# Altium PCB PCB1_Bak.PcbDoc (part 3 of 5) (continued)
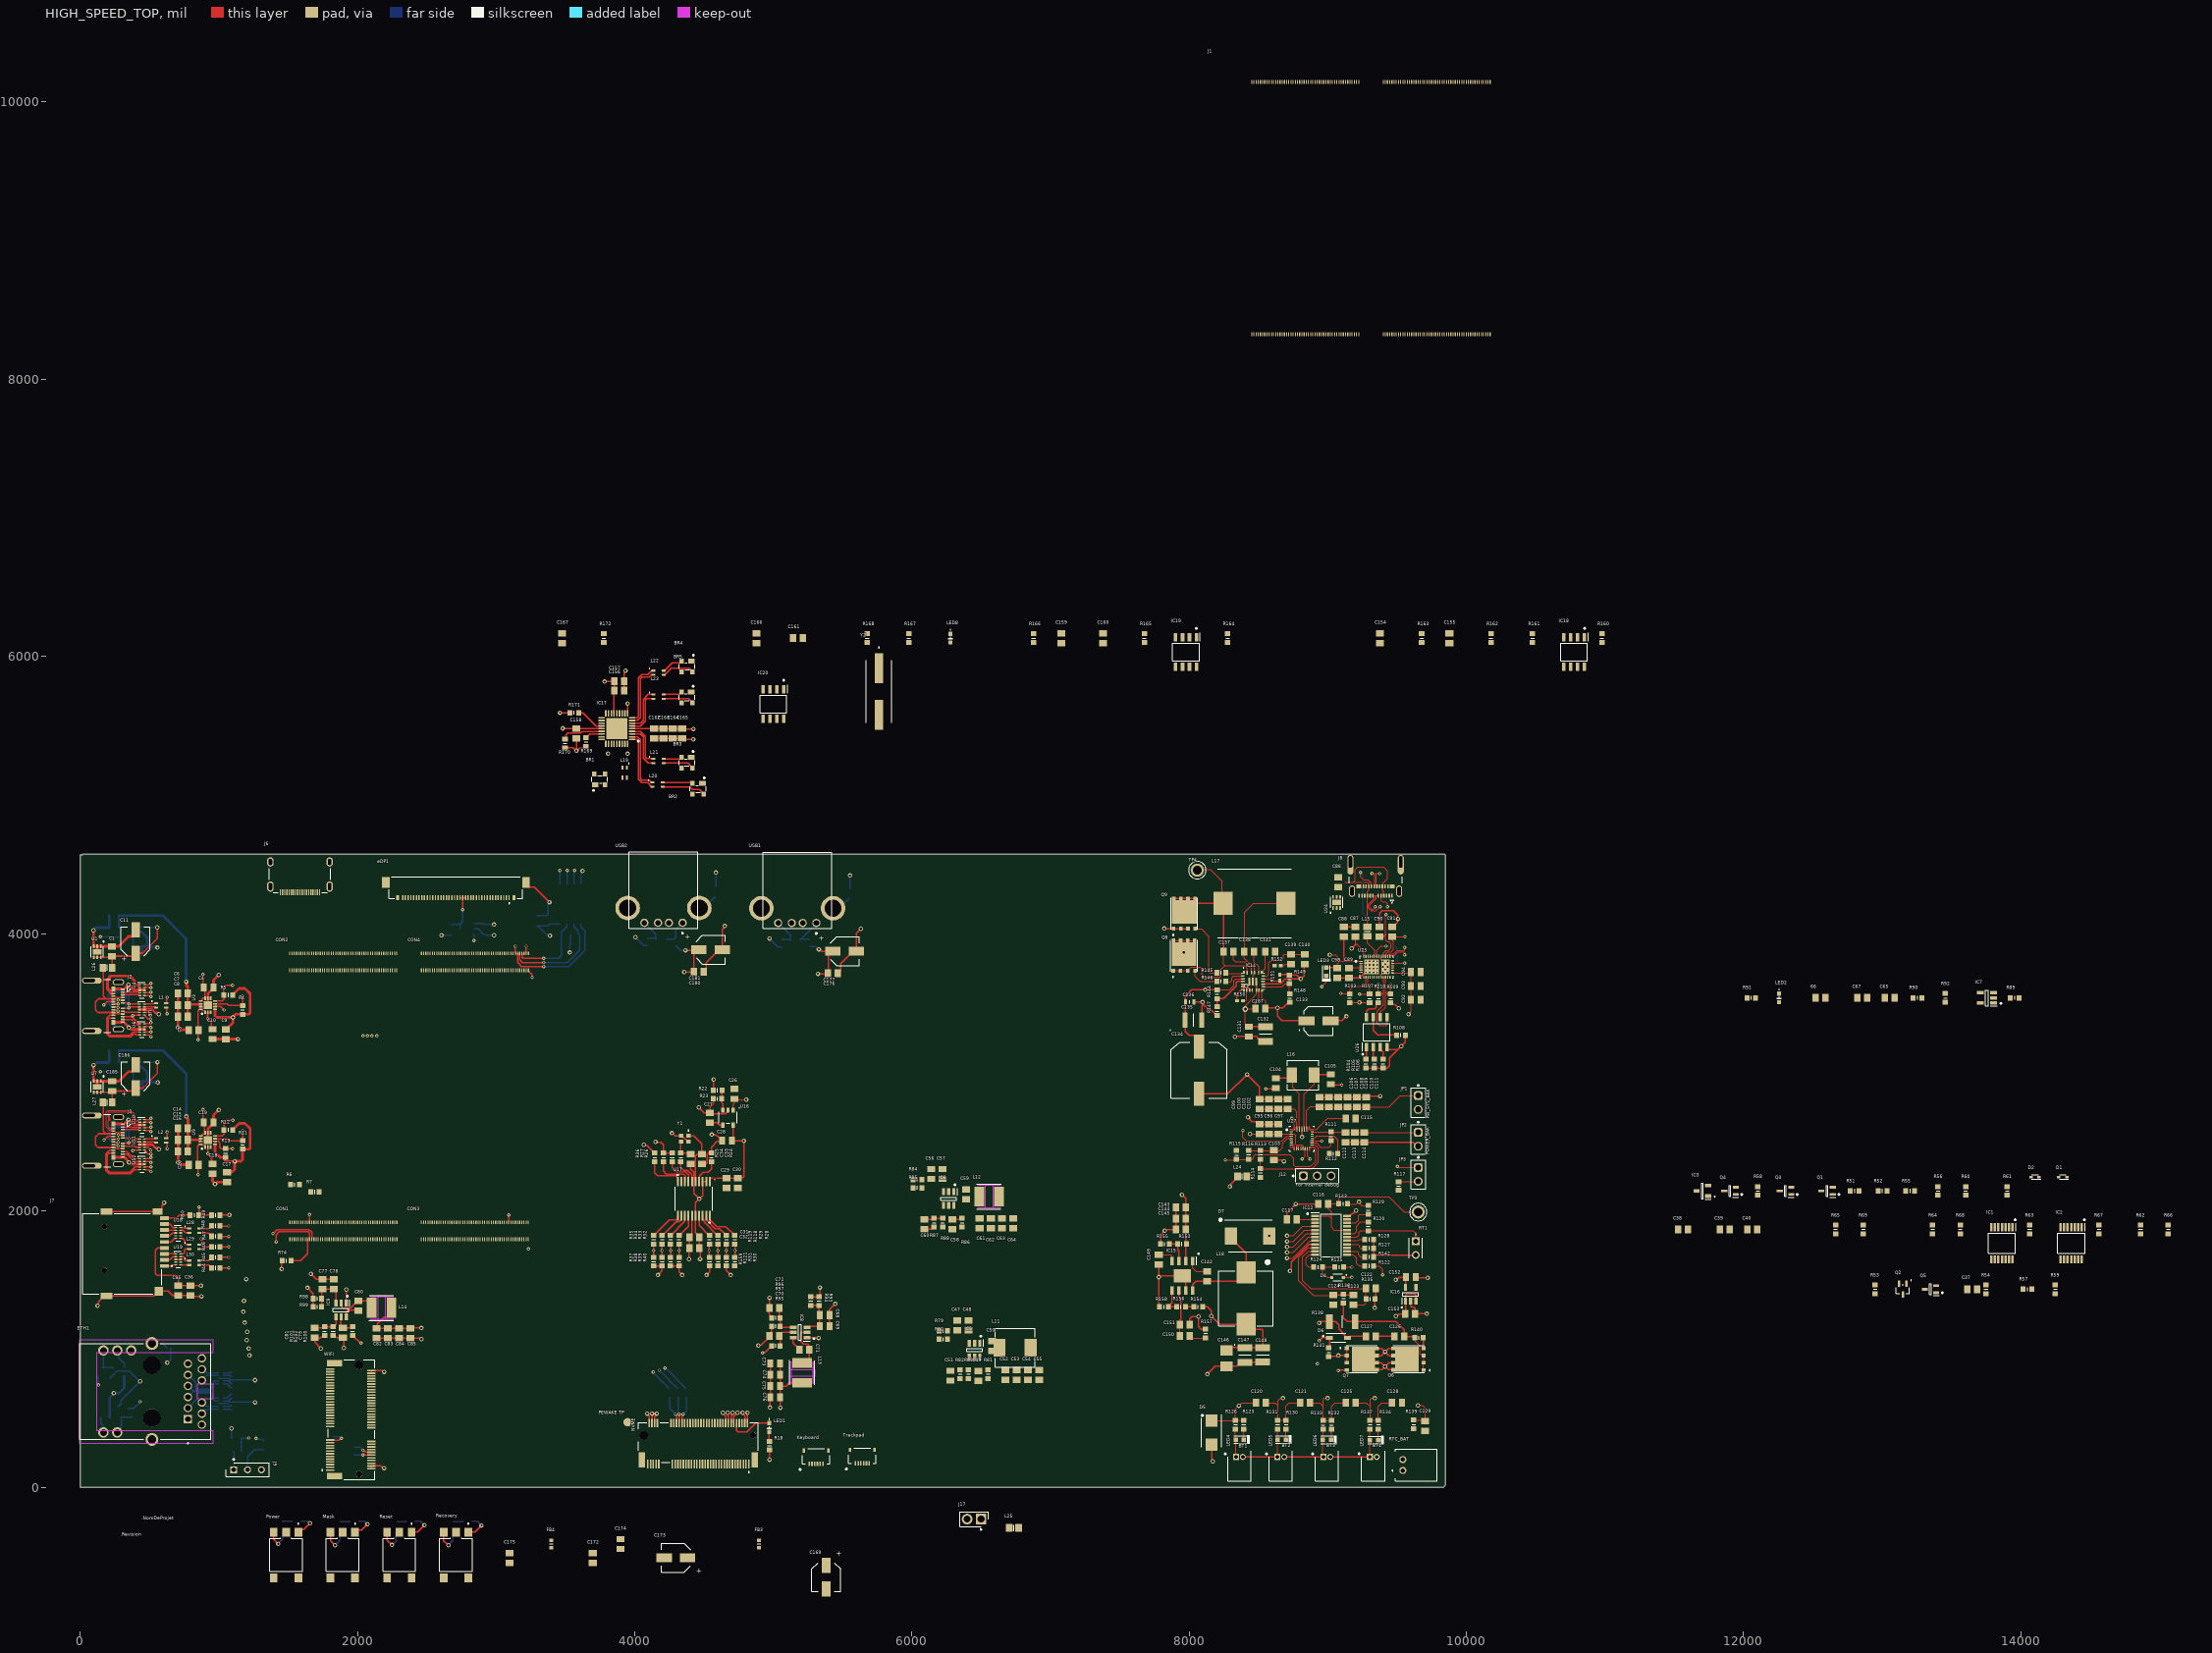
[diagram p0: HIGH_SPEED_TOP view]
## Part data (continued)
R145 R146: library part ERJ-3GEYJ1R0V, "1 Ohm 5% 1/10W  Res Thick Film 0603 -100ppm/", Case Code (Imperial)=0603, Case Code (Metric)=1608, Manufacturer=Panasonic, Max Operating Temperature=155°C, Max Power Dissipation=100mW, Min Operating Temperature=-55°C, Mouser Part Number=667-ERJ-3GEYJ1R0V, Package Quantity=1, Resistance Tolerance=5%, Resistor Type="Thick Film", Supplier Part Number=P1.0GCT-ND, Temperature Coefficient=600ppm/°C, Voltage Rating=75V, Voltage Rating (DC)=50V, Case/Package=0603, Category="Chip SMD Resistors", ComponentLink1Description=https://datasheet.ciiva.com/11821/0900766b80f806dd-11821429.pdf?src-supplier=Rs, ComponentLink1URL=https://datasheet.ciiva.com/11821/0900766b80f806dd-11821429.pdf?src-supplier=Rs, ComponentLink2Description=https://datasheet.ciiva.com/6138/1678796-6138719.pdf?src-supplier=Farnell, ComponentLink2URL=https://datasheet.ciiva.com/6138/1678796-6138719.pdf?src-supplier=Farnell, ComponentLink3Description=https://datasheet.ciiva.com/43460/1678796-43460648.pdf?src-supplier=Farnell, ComponentLink3URL=https://datasheet.ciiva.com/43460/1678796-43460648.pdf?src-supplier=Farnell, ComponentLink4Description=https://datasheet.ciiva.com/9117/aoa0000ce1-9117101.pdf?src-supplier=Avnet, ComponentLink4URL=https://datasheet.ciiva.com/9117/aoa0000ce1-9117101.pdf?src-supplier=Avnet, ComponentLink5Description=https://datasheet.ciiva.com/27055/1988567-27055708.pdf?src-supplier=Jameco, ComponentLink5URL=https://datasheet.ciiva.com/27055/1988567-27055708.pdf?src-supplier=Jameco, ComponentLink6Description=https://datasheet.ciiva.com/30244/4aoa0000ce1-30244602.pdf?src-supplier=Onlinecomponents.com, ComponentLink6URL=https://datasheet.ciiva.com/30244/4aoa0000ce1-30244602.pdf?src-supplier=Onlinecomponents.com, ComponentLink7Description=https://datasheet.ciiva.com/28547/1678796-28547208.pdf?src-supplier=Element14, ComponentLink7URL=https://datasheet.ciiva.com/28547/1678796-28547208.pdf?src-supplier=Element14, ComponentLink8Description=https://datasheet.ciiva.com/28691/1678796-28691949.pdf?src-supplier=Element14, ComponentLink8URL=https://datasheet.ciiva.com/28691/1678796-28691949.pdf?src-supplier=Element14, ComponentLink9Description=https://datasheet.ciiva.com/16761/70255313-16761183.pdf?src-supplier=Allied+Electronics, ComponentLink9URL=https://datasheet.ciiva.com/16761/70255313-16761183.pdf?src-supplier=Allied+Electronics, ComponentLink10Description=https://datasheet.ciiva.com/16784/70255313-16784679.pdf?src-supplier=Allied+Electronics, ComponentLink10URL=https://datasheet.ciiva.com/16784/70255313-16784679.pdf?src-supplier=Allied+Electronics, Construction=Rectangular, Contact Plating=Tin, Datasheet Link=http://docs-europe.electrocomponents.com/webdocs/13ba/0900766b813ba21b.pdf, Depth=0.8mm, Features="Automotive AEC-Q200", Height=0.55mm, Lead Free="Lead Free", Length=1.6mm, Manufacturer Part Number=ERJ-3GEYJ1R0V, Manufacturer_Name=Panasonic, Manufacturer_Part_Number=ERJ-3GEYJ1R0V, Military Standard=Not, Mounting Technology="Surface Mount", Mouser Price/Stock=https://www.mouser.co.uk/ProductDetail/Panasonic/ERJ-3GEYJ1R0V?qs=iBwFsHVUAOehrcsQVhVEKg%3D%3D, Number of Terminations=2, Packaging="Tape and Reel", Power Rating=100mW, Pricing="1=0.1, 10=0.033, 50=0.02, 100=0.0165, 500=0.01096, 1000=0.00939 (USD)", Radiation Hardening=No, Reach SVHC Compliant=No, RoHS=Yes, RoHS Compliant=Yes, Series=ERJ, Stock=374695, Supplier=Digikey, Technology="THICK FILM", Termination=SMD/SMT, Tolerance=5%, Width=0.8mm
R149: library part RT0603BRD0710K4L, "10.4kOhm 0.1% High Precision-High Stability Chip Resistor Thin Film 0603  Paper T/R", Case/Package=0603, Manufacturer=Yageo, Max Operating Temperature=155°C, Max Power Dissipation=100mW, Min Operating Temperature=-55°C, Package=None, Supplier Part Number=13-RT0603BRD0710K4LCT-ND, Temperature Coefficient=25ppm/°C, Tolerance=0.1%, Availability=Unavailable, Category="Chip SMD Resistors", ComponentLink1Description=https://datasheet.octopart.com/RT0603BRD0710K4L-Yageo-datasheet-169971040.pdf?src-supplier=Future+Electronics, ComponentLink1URL=https://datasheet.octopart.com/RT0603BRD0710K4L-Yageo-datasheet-169971040.pdf?src-supplier=Future+Electronics, ComponentLink2Description=http://www.yageo.com/documents/recent/PYu-RT_1-to-0.01_RoHS_L_9.pdf?src-supplier=Digikey, ComponentLink2URL=http://www.yageo.com/documents/recent/PYu-RT_1-to-0.01_RoHS_L_9.pdf?src-supplier=Digikey, Manufacturer Part Number=RT0603BRD0710K4L, MP=RT0603BRD0710K4L, Number of Terminations=2, Packaging="Tape and Reel", Price=None, Pricing="1=0.14, 10=0.108, 50=0.0868, 100=0.0775, 500=0.06018, 1000=0.05202 (USD)", RoHS=Yes, RoHS Compliant=Yes, Series=RT, Stock=17618, Supplier=Digikey
R150: library part CRCW040250K0FKED, "50 kΩ  Tolerance: 1.0%  Power: 63 mW  Package:0402", Manufacturer_Name=Vishay, Mouser Part Number=71-CRCW0402-50K-E3, Datasheet Link=http://www.vishay.com/docs/20035/dcrcwe3.pdf, Height=0.4mm, Manufacturer_Part_Number=CRCW040250K0FKED, Mouser Price/Stock=https://www.mouser.co.uk/ProductDetail/Vishay-Dale/CRCW040250K0FKED?qs=ZTJSYgkXUA0CX%252BZe0ESa5A%3D%3D
R151: library part CRCW040231K6FKED, "31.6 kΩ  Tolerance: 1.0%  Power: 63 mW", Manufacturer_Name=Vishay, Mouser Part Number=71-CRCW0402-31.6K-E3, Datasheet Link=http://www.vishay.com/docs/20035/dcrcwe3.pdf, Height=0.4mm, Manufacturer_Part_Number=CRCW040231K6FKED, Mouser Price/Stock=https://www.mouser.co.uk/ProductDetail/Vishay-Dale/CRCW040231K6FKED?qs=TNtMkGKFKOwWly94NvOrvQ%3D%3D
R152: library part CRCW040254K9FKED, "54.9 kΩ  Tolerance: 1.0%  Power: 63 mW  PAckage:0402", Manufacturer_Name=Vishay, Mouser Part Number=71-CRCW0402-54.9K-E3, Arrow Part Number=CRCW040254K9FKED, Arrow Price/Stock=https://www.arrow.com/en/products/crcw040254k9fked/vishay, Datasheet Link=http://www.vishay.com/docs/20035/dcrcwe3.pdf, Height=0.4mm, Manufacturer_Part_Number=CRCW040254K9FKED, Mouser Price/Stock=https://www.mouser.co.uk/ProductDetail/Vishay-Dale/CRCW040254K9FKED?qs=hAuyw6LW%252BLi3%2FhCT%2FKiiLw%3D%3D
R153: library part ERJ-3EKF6653V, "665 kOhm, ± 1%, 100 mW, 0603 [1608 Metric], Thick Film, Precision", Case Code (Imperial)=0603, Case Code (Metric)=1608, Manufacturer=Panasonic, Max Operating Temperature=155°C, Max Power Dissipation=100mW, Min Operating Temperature=-55°C, Package Quantity=5000, Resistance Tolerance=1%, Resistor Type="Thick Film", Supplier Part Number=P665KHCT-ND, Temperature Coefficient=100ppm/°C, Voltage Rating=75V, Voltage Rating (DC)=50V, Case/Package=0603, Category="Chip SMD Resistors", ComponentLink1Description=https://datasheet.ciiva.com/9180/aoa0000ce2-9180543.pdf?src-supplier=Avnet, ComponentLink1URL=https://datasheet.ciiva.com/9180/aoa0000ce2-9180543.pdf?src-supplier=Avnet, ComponentLink2Description=https://datasheet.ciiva.com/7754/1678782-7754015.pdf?src-supplier=Element14, ComponentLink2URL=https://datasheet.ciiva.com/7754/1678782-7754015.pdf?src-supplier=Element14, ComponentLink3Description=https://datasheet.ciiva.com/22668/1678782-22668429.pdf?src-supplier=Element14, ComponentLink3URL=https://datasheet.ciiva.com/22668/1678782-22668429.pdf?src-supplier=Element14, ComponentLink4Description=https://datasheet.ciiva.com/46420/1678782-46420005.pdf?src-supplier=Element14, ComponentLink4URL=https://datasheet.ciiva.com/46420/1678782-46420005.pdf?src-supplier=Element14, Construction=Rectangular, Contact Plating=Tin, Depth=0.8mm, Features="Automotive AEC-Q200", Height=0.022inch, Length=1.6mm, Manufacturer Part Number=ERJ-3EKF6653V, Mfr_Name=Panasonic, Military Standard=Not, Mounting Technology="Surface Mount", Number of Terminations=2, Packaging="Tape and Reel", Power Rating=100mW, Pricing="1=0.1, 10=0.035, 100=0.0177, 1000=0.01014, 2500=0.00847 (USD)", Reach SVHC Compliant=Yes, RoHS=Yes, RoHS Compliant=Yes, Series=ERJ, Stock=26342, Supplier=Digikey, Termination=SMD/SMT, Tolerance=1%, Width=0.8mm
R154: library part ERJ-3EKF51R1V, "51.1 Ohm 1% 0.1W(1/10W) ±100ppm/C Pad SMD T/R Automotive AEC-Q200", Case Code (Imperial)=0603, Case Code (Metric)=1608, Manufacturer=Panasonic, Max Operating Temperature=155°C, Max Power Dissipation=100mW, Min Operating Temperature=-55°C, Mouser Part Number=667-ERJ-3EKF51R1V, Package Quantity=1, Resistance Tolerance=1%, Resistor Type="Thick Film", Supplier Part Number=P51.1HCT-ND, Temperature Coefficient=100ppm/°C, Voltage Rating=75V, Arrow Part Number=ERJ-3EKF51R1V, Arrow Price/Stock=https://www.arrow.com/en/products/erj-3ekf51r1v/panasonic?region=europe, Case/Package=0603, Category="Chip SMD Resistors", ComponentLink1Description=https://datasheet.ciiva.com/5870/426256-5870807.pdf?src-supplier=Farnell, ComponentLink1URL=https://datasheet.ciiva.com/5870/426256-5870807.pdf?src-supplier=Farnell, ComponentLink2Description=https://datasheet.ciiva.com/9117/aoa0000ce2-9117163.pdf?src-supplier=Avnet, ComponentLink2URL=https://datasheet.ciiva.com/9117/aoa0000ce2-9117163.pdf?src-supplier=Avnet, ComponentLink3Description=https://datasheet.ciiva.com/9188/aoa0000ce2-9188966.pdf?src-supplier=Avnet, ComponentLink3URL=https://datasheet.ciiva.com/9188/aoa0000ce2-9188966.pdf?src-supplier=Avnet, ComponentLink4Description=https://datasheet.ciiva.com/30066/aoa0000ce2-30066071.pdf?src-supplier=Onlinecomponents.com, ComponentLink4URL=https://datasheet.ciiva.com/30066/aoa0000ce2-30066071.pdf?src-supplier=Onlinecomponents.com, ComponentLink5Description=https://datasheet.ciiva.com/16440/aoa0000ce2-16440167.pdf?src-supplier=Future+Electronics, ComponentLink5URL=https://datasheet.ciiva.com/16440/aoa0000ce2-16440167.pdf?src-supplier=Future+Electronics, ComponentLink6Description=https://datasheet.ciiva.com/16782/70260748-16782813.pdf?src-supplier=Allied+Electronics, ComponentLink6URL=https://datasheet.ciiva.com/16782/70260748-16782813.pdf?src-supplier=Allied+Electronics, ComponentLink7Description=https://datasheet.ciiva.com/46377/426256-46377438.pdf?src-supplier=Element14, ComponentLink7URL=https://datasheet.ciiva.com/46377/426256-46377438.pdf?src-supplier=Element14, Construction=Rectangular, Contact Plating=Tin, Datasheet Link=http://industrial.panasonic.com/cdbs/www-data/pdf/RDA0000/AOA0000C86.pdf, Depth=0.8mm, Features="Automotive AEC-Q200", Height=0.55mm, Length=1.6mm, Manufacturer Part Number=ERJ-3EKF51R1V, Manufacturer_Name=Panasonic, Manufacturer_Part_Number=ERJ-3EKF51R1V, Military Standard=Not, Mounting Technology="Surface Mount", Mouser Price/Stock=https://www.mouser.com/Search/Refine.aspx?Keyword=667-ERJ-3EKF51R1V, Number of Terminations=2, Packaging="Tape and Reel", Power Rating=100mW, Pricing="1=0.1, 10=0.035, 100=0.0177, 1000=0.01014, 2500=0.00888 (USD)", Radiation Hardening=No, Reach SVHC Compliant=No, RoHS=Yes, RoHS Compliant=Yes, Series=ERJ, Stock=86452, Supplier=Digikey, Technology="THICK FILM", Termination=SMD/SMT, Tolerance=1%, Width=0.8mm
R155: library part ERJ-3EKF1303V, "130K Ohm 1% 0.1W Res Thick Film 0603 ±100ppm/°C Molded SMD Punched Carrier T/R", Case Code (Imperial)=0603, Case Code (Metric)=1608, Manufacturer=Panasonic, Max Operating Temperature=155°C, Max Power Dissipation=100mW, Min Operating Temperature=-55°C, Package Quantity=1, Resistance Tolerance=1%, Resistor Type="Thick Film", Supplier Part Number=P130KHCT-ND, Temperature Coefficient=100ppm/°C, Voltage Rating=75V, Voltage Rating (DC)=50V, Case/Package=0603, Category="Chip SMD Resistors", ComponentLink1Description=https://datasheet.ciiva.com/5915/426256-5915291.pdf?src-supplier=Farnell, ComponentLink1URL=https://datasheet.ciiva.com/5915/426256-5915291.pdf?src-supplier=Farnell, ComponentLink2Description=https://datasheet.ciiva.com/5915/426256-5915292.pdf?src-supplier=Farnell, ComponentLink2URL=https://datasheet.ciiva.com/5915/426256-5915292.pdf?src-supplier=Farnell, ComponentLink3Description=https://datasheet.ciiva.com/28515/1678782-28515237.pdf?src-supplier=Element14, ComponentLink3URL=https://datasheet.ciiva.com/28515/1678782-28515237.pdf?src-supplier=Element14, ComponentLink4Description=https://datasheet.ciiva.com/28665/1678782-28665400.pdf?src-supplier=Element14, ComponentLink4URL=https://datasheet.ciiva.com/28665/1678782-28665400.pdf?src-supplier=Element14, ComponentLink5Description=https://datasheet.ciiva.com/24070/aoa0000ce2-24070047.pdf?src-supplier=Mouser, ComponentLink5URL=https://datasheet.ciiva.com/24070/aoa0000ce2-24070047.pdf?src-supplier=Mouser, ComponentLink6Description=https://datasheet.ciiva.com/16788/70260748-16788063.pdf?src-supplier=Allied+Electronics, ComponentLink6URL=https://datasheet.ciiva.com/16788/70260748-16788063.pdf?src-supplier=Allied+Electronics, ComponentLink7Description=https://datasheet.ciiva.com/7795/426256-7795210.pdf?src-supplier=Element14, ComponentLink7URL=https://datasheet.ciiva.com/7795/426256-7795210.pdf?src-supplier=Element14, Construction=Rectangular, Contact Plating=Tin, Depth=0.8mm, Features="Automotive AEC-Q200", Height=0.45mm, Lead Free="Lead Free", Length=1.6mm, Manufacturer Part Number=ERJ-3EKF1303V, Mfr_Name=Panasonic, Military Standard=Not, Mounting Technology="Surface Mount", Number of Terminations=2, Packaging="Tape and Reel", Power Rating=100mW, Pricing="1=0.1, 10=0.035, 100=0.0177, 1000=0.01014, 2500=0.00847 (USD)", Reach SVHC Compliant=No, RoHS=Yes, RoHS Compliant=Yes, Series=ERJ, Stock=107191, Supplier=Digikey, Technology="THICK FILM", Termination=SMD/SMT, Tolerance=1%, Width=0.8mm
R156: library part ERJ-3EKF1022V, "10.2 kOhm, ± 1%, 100 mW, 0603 [1608 Metric], Thick Film, Precision", Case Code (Imperial)=0603, Case Code (Metric)=1608, Manufacturer=Panasonic, Max Operating Temperature=155°C, Max Power Dissipation=100mW, Min Operating Temperature=-55°C, Mouser Part Number=667-ERJ-3EKF1022V, Package Quantity=1, Resistance Tolerance=1%, Resistor Type="Thick Film", Supplier Part Number=P10.2KHCT-ND, Temperature Coefficient=100ppm/°C, Voltage Rating=75V, Voltage Rating (DC)=50V, Arrow Part Number=ERJ-3EKF1022V, Arrow Price/Stock=https://www.arrow.com/en/products/erj-3ekf1022v/panasonic, Case/Package=0603, Category="Chip SMD Resistors", ComponentLink1Description=https://datasheet.ciiva.com/34303/1987492-34303567.pdf?src-supplier=Jameco, ComponentLink1URL=https://datasheet.ciiva.com/34303/1987492-34303567.pdf?src-supplier=Jameco, ComponentLink2Description=https://datasheet.ciiva.com/30119/aoa0000ce2-30119176.pdf?src-supplier=Onlinecomponents.com, ComponentLink2URL=https://datasheet.ciiva.com/30119/aoa0000ce2-30119176.pdf?src-supplier=Onlinecomponents.com, ComponentLink3Description=https://datasheet.ciiva.com/43460/426256-43460540.pdf?src-supplier=Farnell, ComponentLink3URL=https://datasheet.ciiva.com/43460/426256-43460540.pdf?src-supplier=Farnell, ComponentLink4Description=https://datasheet.ciiva.com/9194/aoa0000ce2-9194057.pdf?src-supplier=Avnet, ComponentLink4URL=https://datasheet.ciiva.com/9194/aoa0000ce2-9194057.pdf?src-supplier=Avnet, ComponentLink5Description=https://datasheet.ciiva.com/16777/70260748-16777515.pdf?src-supplier=Allied+Electronics, ComponentLink5URL=https://datasheet.ciiva.com/16777/70260748-16777515.pdf?src-supplier=Allied+Electronics, ComponentLink6Description=https://datasheet.ciiva.com/24069/aoa0000ce2-24069678.pdf?src-supplier=Mouser, ComponentLink6URL=https://datasheet.ciiva.com/24069/aoa0000ce2-24069678.pdf?src-supplier=Mouser, ComponentLink7Description=https://datasheet.ciiva.com/28531/1678782-28531526.pdf?src-supplier=Element14, ComponentLink7URL=https://datasheet.ciiva.com/28531/1678782-28531526.pdf?src-supplier=Element14, ComponentLink8Description=https://datasheet.ciiva.com/28658/1678782-28658333.pdf?src-supplier=Element14, ComponentLink8URL=https://datasheet.ciiva.com/28658/1678782-28658333.pdf?src-supplier=Element14, ComponentLink9Description=https://datasheet.ciiva.com/46377/426256-46377339.pdf?src-supplier=Element14, ComponentLink9URL=https://datasheet.ciiva.com/46377/426256-46377339.pdf?src-supplier=Element14, Construction=Rectangular, Contact Plating=Tin, Datasheet Link=http://industrial.panasonic.com/cdbs/www-data/pdf/RDA0000/AOA0000C86.pdf, Depth=0.8mm, Features="Automotive AEC-Q200", Height=0.55mm, Lead Free="Lead Free", Length=1.6mm, Manufacturer Part Number=ERJ-3EKF1022V, Manufacturer_Name=Panasonic, Manufacturer_Part_Number=ERJ-3EKF1022V, Military Standard=Not, Mounting Technology="Surface Mount", Mouser Price/Stock=https://www.mouser.co.uk/ProductDetail/Panasonic/ERJ-3EKF1022V?qs=LRVwtJ3DVID0bgL5Wde26A%3D%3D, Number of Terminations=2, Packaging="Tape and Reel", Power Rating=100mW, Pricing="1=0.1, 10=0.035, 100=0.0177, 1000=0.01014, 2500=0.00847 (USD)", Radiation Hardening=No, Reach SVHC Compliant=No, RoHS=Yes, RoHS Compliant=Yes, Series=ERJ, Stock=89233, Supplier=Digikey, Technology="THICK FILM", Termination=SMD/SMT, Tolerance=1%, Width=0.8mm
R157: library part ERJ-3EKF3742V, "37.4K Ohm 1% 1/10W ±100ppm/°C Molded SMD Punched Carrier T/R", Case Code (Imperial)=0603, Case Code (Metric)=1608, Manufacturer=Panasonic, Max Operating Temperature=155°C, Min Operating Temperature=-55°C, Power Rating=100mW, Resistance Tolerance=1%, Resistor Type="Thick Film", Supplier Part Number=P37.4KHCT-ND, Temperature Coefficient=100ppm/°C, Voltage Rating=75V, Case/Package=0603, Category="Chip SMD Resistors", ComponentLink1Description=https://datasheet.ciiva.com/22668/1678782-22668168.pdf?src-supplier=Element14, ComponentLink1URL=https://datasheet.ciiva.com/22668/1678782-22668168.pdf?src-supplier=Element14, ComponentLink2Description=https://datasheet.ciiva.com/30172/aoa0000ce2-30172522.pdf?src-supplier=Onlinecomponents.com, ComponentLink2URL=https://datasheet.ciiva.com/30172/aoa0000ce2-30172522.pdf?src-supplier=Onlinecomponents.com, ComponentLink3Description=https://datasheet.ciiva.com/46419/1678782-46419947.pdf?src-supplier=Element14, ComponentLink3URL=https://datasheet.ciiva.com/46419/1678782-46419947.pdf?src-supplier=Element14, ComponentLink4Description=https://datasheet.ciiva.com/7870/aoa0000ce2-7870825.pdf?src-supplier=Element14, ComponentLink4URL=https://datasheet.ciiva.com/7870/aoa0000ce2-7870825.pdf?src-supplier=Element14, Lead Free="Contains Lead", Manufacturer Part Number=ERJ-3EKF3742V, Mfr_Name=Panasonic, Mounting Technology="Surface Mount", Packaging="Tape and Reel", Pricing="1=0.1, 10=0.035, 100=0.0177, 1000=0.01014, 2500=0.00847 (USD)", Reach SVHC Compliant=Unknown, RoHS=Yes, RoHS Compliant=Yes, Stock=79144, Supplier=Digikey, Tolerance=1%
R158: library part ERJ-3EKF1961V, "1.96K Ohm 1% 1/10W ±100ppm/°C Molded SMD Punched Carrier T/R", Case Code (Imperial)=0603, Case Code (Metric)=1608, Manufacturer=Panasonic, Max Operating Temperature=155°C, Max Power Dissipation=100mW, Min Operating Temperature=-55°C, Package Quantity=1, Ratings=AEC-Q200, Resistance Tolerance=1%, Resistor Type="Thick Film", Supplier Part Number=P1.96KHCT-ND, Temperature Coefficient=100ppm/°C, Voltage Rating=75V, Voltage Rating (DC)=50V, Case/Package=0603, Category="Chip SMD Resistors", ComponentLink1Description=https://datasheet.ciiva.com/6201/426256-6201465.pdf?src-supplier=Farnell, ComponentLink1URL=https://datasheet.ciiva.com/6201/426256-6201465.pdf?src-supplier=Farnell, ComponentLink2Description=https://datasheet.ciiva.com/9197/aoa0000ce2-9197519.pdf?src-supplier=Avnet, ComponentLink2URL=https://datasheet.ciiva.com/9197/aoa0000ce2-9197519.pdf?src-supplier=Avnet, ComponentLink3Description=https://datasheet.ciiva.com/16775/70260748-16775147.pdf?src-supplier=Allied+Electronics, ComponentLink3URL=https://datasheet.ciiva.com/16775/70260748-16775147.pdf?src-supplier=Allied+Electronics, ComponentLink4Description=https://datasheet.ciiva.com/28610/1678782-28610985.pdf?src-supplier=Element14, ComponentLink4URL=https://datasheet.ciiva.com/28610/1678782-28610985.pdf?src-supplier=Element14, ComponentLink5Description=https://datasheet.ciiva.com/28658/1678782-28658365.pdf?src-supplier=Element14, ComponentLink5URL=https://datasheet.ciiva.com/28658/1678782-28658365.pdf?src-supplier=Element14, ComponentLink6Description=https://datasheet.ciiva.com/46377/426256-46377743.pdf?src-supplier=Element14, ComponentLink6URL=https://datasheet.ciiva.com/46377/426256-46377743.pdf?src-supplier=Element14, ComponentLink7Description=https://datasheet.ciiva.com/46389/426256-46389227.pdf?src-supplier=Element14, ComponentLink7URL=https://datasheet.ciiva.com/46389/426256-46389227.pdf?src-supplier=Element14, ComponentLink8Description=https://datasheet.ciiva.com/24162/aoa0000ce2-24162888.pdf?src-supplier=Mouser, ComponentLink8URL=https://datasheet.ciiva.com/24162/aoa0000ce2-24162888.pdf?src-supplier=Mouser, Construction=Rectangular, Contact Plating=Tin, Depth=0.8mm, Features="Automotive AEC-Q200", Height=0.45mm, Lead Free="Lead Free", Length=1.6mm, Manufacturer Part Number=ERJ-3EKF1961V, Mfr_Name=Panasonic, Military Standard=Not, Mounting Technology="Surface Mount", Number of Terminations=2, Packaging="Tape and Reel", Power Rating=100mW, Pricing="1=0.1, 10=0.035, 100=0.0177, 1000=0.01014, 2500=0.00847 (USD)", Reach SVHC Compliant=No, RoHS=Yes, RoHS Compliant=Yes, Series=ERJ, Stock=68295, Supplier=Digikey, Technology="THICK FILM", Termination=SMD/SMT, Tolerance=1%, Weight=7.1E-05oz, Width=0.8mm
R168: library part ERJ-3EKF1241V, "1.24K Ohm 1% 1/10W  0603", Case Code (Imperial)=0603, Case Code (Metric)=1608, Manufacturer=Panasonic, Max Operating Temperature=155°C, Max Power Dissipation=100mW, Min Operating Temperature=-55°C, Mouser Part Number=667-ERJ-3EKF1241V, Package Quantity=5000, Resistance Tolerance=1%, Resistor Type="Thick Film", Supplier Part Number=P1.24KHCT-ND, Temperature Coefficient=100ppm/°C, Voltage Rating=75V, Voltage Rating (DC)=50V, Case/Package=0603, Category="Chip SMD Resistors", ComponentLink1Description=https://datasheet.ciiva.com/6201/426256-6201385.pdf?src-supplier=Farnell, ComponentLink1URL=https://datasheet.ciiva.com/6201/426256-6201385.pdf?src-supplier=Farnell, ComponentLink2Description=https://datasheet.ciiva.com/43460/426256-43460475.pdf?src-supplier=Farnell, ComponentLink2URL=https://datasheet.ciiva.com/43460/426256-43460475.pdf?src-supplier=Farnell, ComponentLink3Description=https://datasheet.ciiva.com/9198/aoa0000ce2-9198405.pdf?src-supplier=Avnet, ComponentLink3URL=https://datasheet.ciiva.com/9198/aoa0000ce2-9198405.pdf?src-supplier=Avnet, ComponentLink4Description=https://datasheet.ciiva.com/46377/426256-46377543.pdf?src-supplier=Element14, ComponentLink4URL=https://datasheet.ciiva.com/46377/426256-46377543.pdf?src-supplier=Element14, ComponentLink5Description=https://datasheet.ciiva.com/46389/426256-46389400.pdf?src-supplier=Element14, ComponentLink5URL=https://datasheet.ciiva.com/46389/426256-46389400.pdf?src-supplier=Element14, ComponentLink6Description=https://datasheet.ciiva.com/27055/1987599-27055669.pdf?src-supplier=Jameco, ComponentLink6URL=https://datasheet.ciiva.com/27055/1987599-27055669.pdf?src-supplier=Jameco, ComponentLink7Description=https://datasheet.ciiva.com/30129/aoa0000ce2-30129916.pdf?src-supplier=Onlinecomponents.com, ComponentLink7URL=https://datasheet.ciiva.com/30129/aoa0000ce2-30129916.pdf?src-supplier=Onlinecomponents.com, ComponentLink8Description=https://datasheet.ciiva.com/28536/1678782-28536153.pdf?src-supplier=Element14, ComponentLink8URL=https://datasheet.ciiva.com/28536/1678782-28536153.pdf?src-supplier=Element14, ComponentLink9Description=https://datasheet.ciiva.com/28672/1678782-28672318.pdf?src-supplier=Element14, ComponentLink9URL=https://datasheet.ciiva.com/28672/1678782-28672318.pdf?src-supplier=Element14, ComponentLink10Description=https://datasheet.ciiva.com/16787/70260748-16787720.pdf?src-supplier=Allied+Electronics, ComponentLink10URL=https://datasheet.ciiva.com/16787/70260748-16787720.pdf?src-supplier=Allied+Electronics, Construction=Rectangular, Contact Plating=Tin, Datasheet Link=http://industrial.panasonic.com/cdbs/www-data/pdf/RDA0000/AOA0000C86.pdf, Depth=0.8mm, Features="Automotive AEC-Q200", Height=0.55mm, Lead Free="Lead Free", Length=1.6mm, Manufacturer Part Number=ERJ-3EKF1241V, Manufacturer_Name=Panasonic, Manufacturer_Part_Number=ERJ-3EKF1241V, Military Standard=Not, Mounting Technology="Surface Mount", Mouser Price/Stock=https://www.mouser.co.uk/ProductDetail/Panasonic/ERJ-3EKF1241V?qs=H7k1u0Mp9JSxP0pMBm%2FrfQ%3D%3D, Number of Terminations=2, Packaging="Tape and Reel", Power Rating=100mW, Pricing="1=0.1, 10=0.035, 100=0.0177, 1000=0.01014, 2500=0.00888 (USD)", Radiation Hardening=No, Reach SVHC Compliant=Unknown, RoHS=Yes, RoHS Compliant=Yes, Series=ERJ, Stock=87035, Supplier=Digikey, Termination=SMD/SMT, Tolerance=1%, Width=0.8mm
RT1: "NTC Thermistor 10k Bead", Manufacturer_Name=Semitec, Mouser Part Number=954-103AT-2, Datasheet Link=https://www.semitec-global.com/uploads/2022/01/P12-13-AT-Thermistor.pdf, Height=9.5mm, Manufacturer_Part_Number=103AT-2, Mouser Price/Stock=https://www.mouser.co.uk/ProductDetail/Semitec/103AT-2?qs=wgO0AD0o1vvcDzsKguD%252Bew%3D%3D
RTC_BAT: "S2B-PH-K-S / Header for PCB; pitch 2.00mm; 2-contacts; THT; male; side entry; 100V/2A", Case/Package=Radial, Color=Natural,White, Contact Resistance=20mR, Current Rating=2A, Flammability Rating="UL94 V-0", Housing Color=White, Insulation Resistance=1GR, Manufacturer=JST, Manufacturer Part Number=S2B-PH-K-S(LF)(SN), Manufacturer_Name="JST (JAPAN SOLDERLESS TERMINALS)", Max Operating Temperature=85°C, Max Voltage Rating (AC)=100V, Min Operating Temperature=-25°C, Supplier Part Number=306-S2BPHKSLFSNPP, Tolerance=20%, Voltage Rating (DC)=50V, Category="Headers and Wire Housings", ComponentLink1Description=https://datasheet.ciiva.com/11747/0900766b8082f558-11747128.pdf?src-supplier=Rs, ComponentLink1URL=https://datasheet.ciiva.com/11747/0900766b8082f558-11747128.pdf?src-supplier=Rs, ComponentLink2Description=https://datasheet.ciiva.com/712/eph-712447.pdf?src-supplier=Digikey, ComponentLink2URL=https://datasheet.ciiva.com/712/eph-712447.pdf?src-supplier=Digikey, ComponentLink3Description=https://datasheet.ciiva.com/8052/80564-8052207.pdf?src-supplier=Element14, ComponentLink3URL=https://datasheet.ciiva.com/8052/80564-8052207.pdf?src-supplier=Element14, ComponentLink4Description=https://datasheet.ciiva.com/26894/getdatasheetpartid-641020-26894599.pdf?src-supplier=Verical, ComponentLink4URL=https://datasheet.ciiva.com/26894/getdatasheetpartid-641020-26894599.pdf?src-supplier=Verical, ComponentLink5Description=https://datasheet.ciiva.com/16484/s2b-ph-k-slfsn-16484405.pdf?src-supplier=Future+Electronics, ComponentLink5URL=https://datasheet.ciiva.com/16484/s2b-ph-k-slfsn-16484405.pdf?src-supplier=Future+Electronics, Contact Material=Brass,Tin,Bronze, Contact Mating Length=0.13inch, Contact Plating=Tin,Copper, Contact Type="Male Pin", Datasheet Link=https://media.digikey.com/pdf/Data%20Sheets/JST%20PDFs/PH%20Series.pdf, Depth=7.6mm, Diameter=5mm, Fastening Type=Detent, Gender=Male, Height=4.8mm, Housing Material=Polyamide, Lead Free="Lead Free", Lead Pitch=2mm, Length=5.9mm, Manufacturer_Part_Number=S2B-PH-K-S, Max Current Rating=2A, Max Voltage Rating (DC)=100V, Mounting Technology="Through Hole", Number of Contacts=2, Number of Poles=2, Number of Positions=2, Number of Rows=1, Orientation="Right Angle", Packaging=Bulk, Pins=2, Pitch=2mm, Pricing="1=0.1, 10=0.072, 50=0.072, 100=0.062, 1000=0.052, 10000=0.044 (USD)", Radiation Hardening=No, Reach SVHC Compliant=No, RoHS=Yes, Series=PH, Stock=3010, Supplier=Mouser, Termination=Solder, Voltage Rating=100V, Voltage Rating (AC)=100V, Weight=28.349523g, Width=4.5mm, Working Voltage=100V